# Altium PCB pcb.PcbDoc (part 3 of 4) (continued)
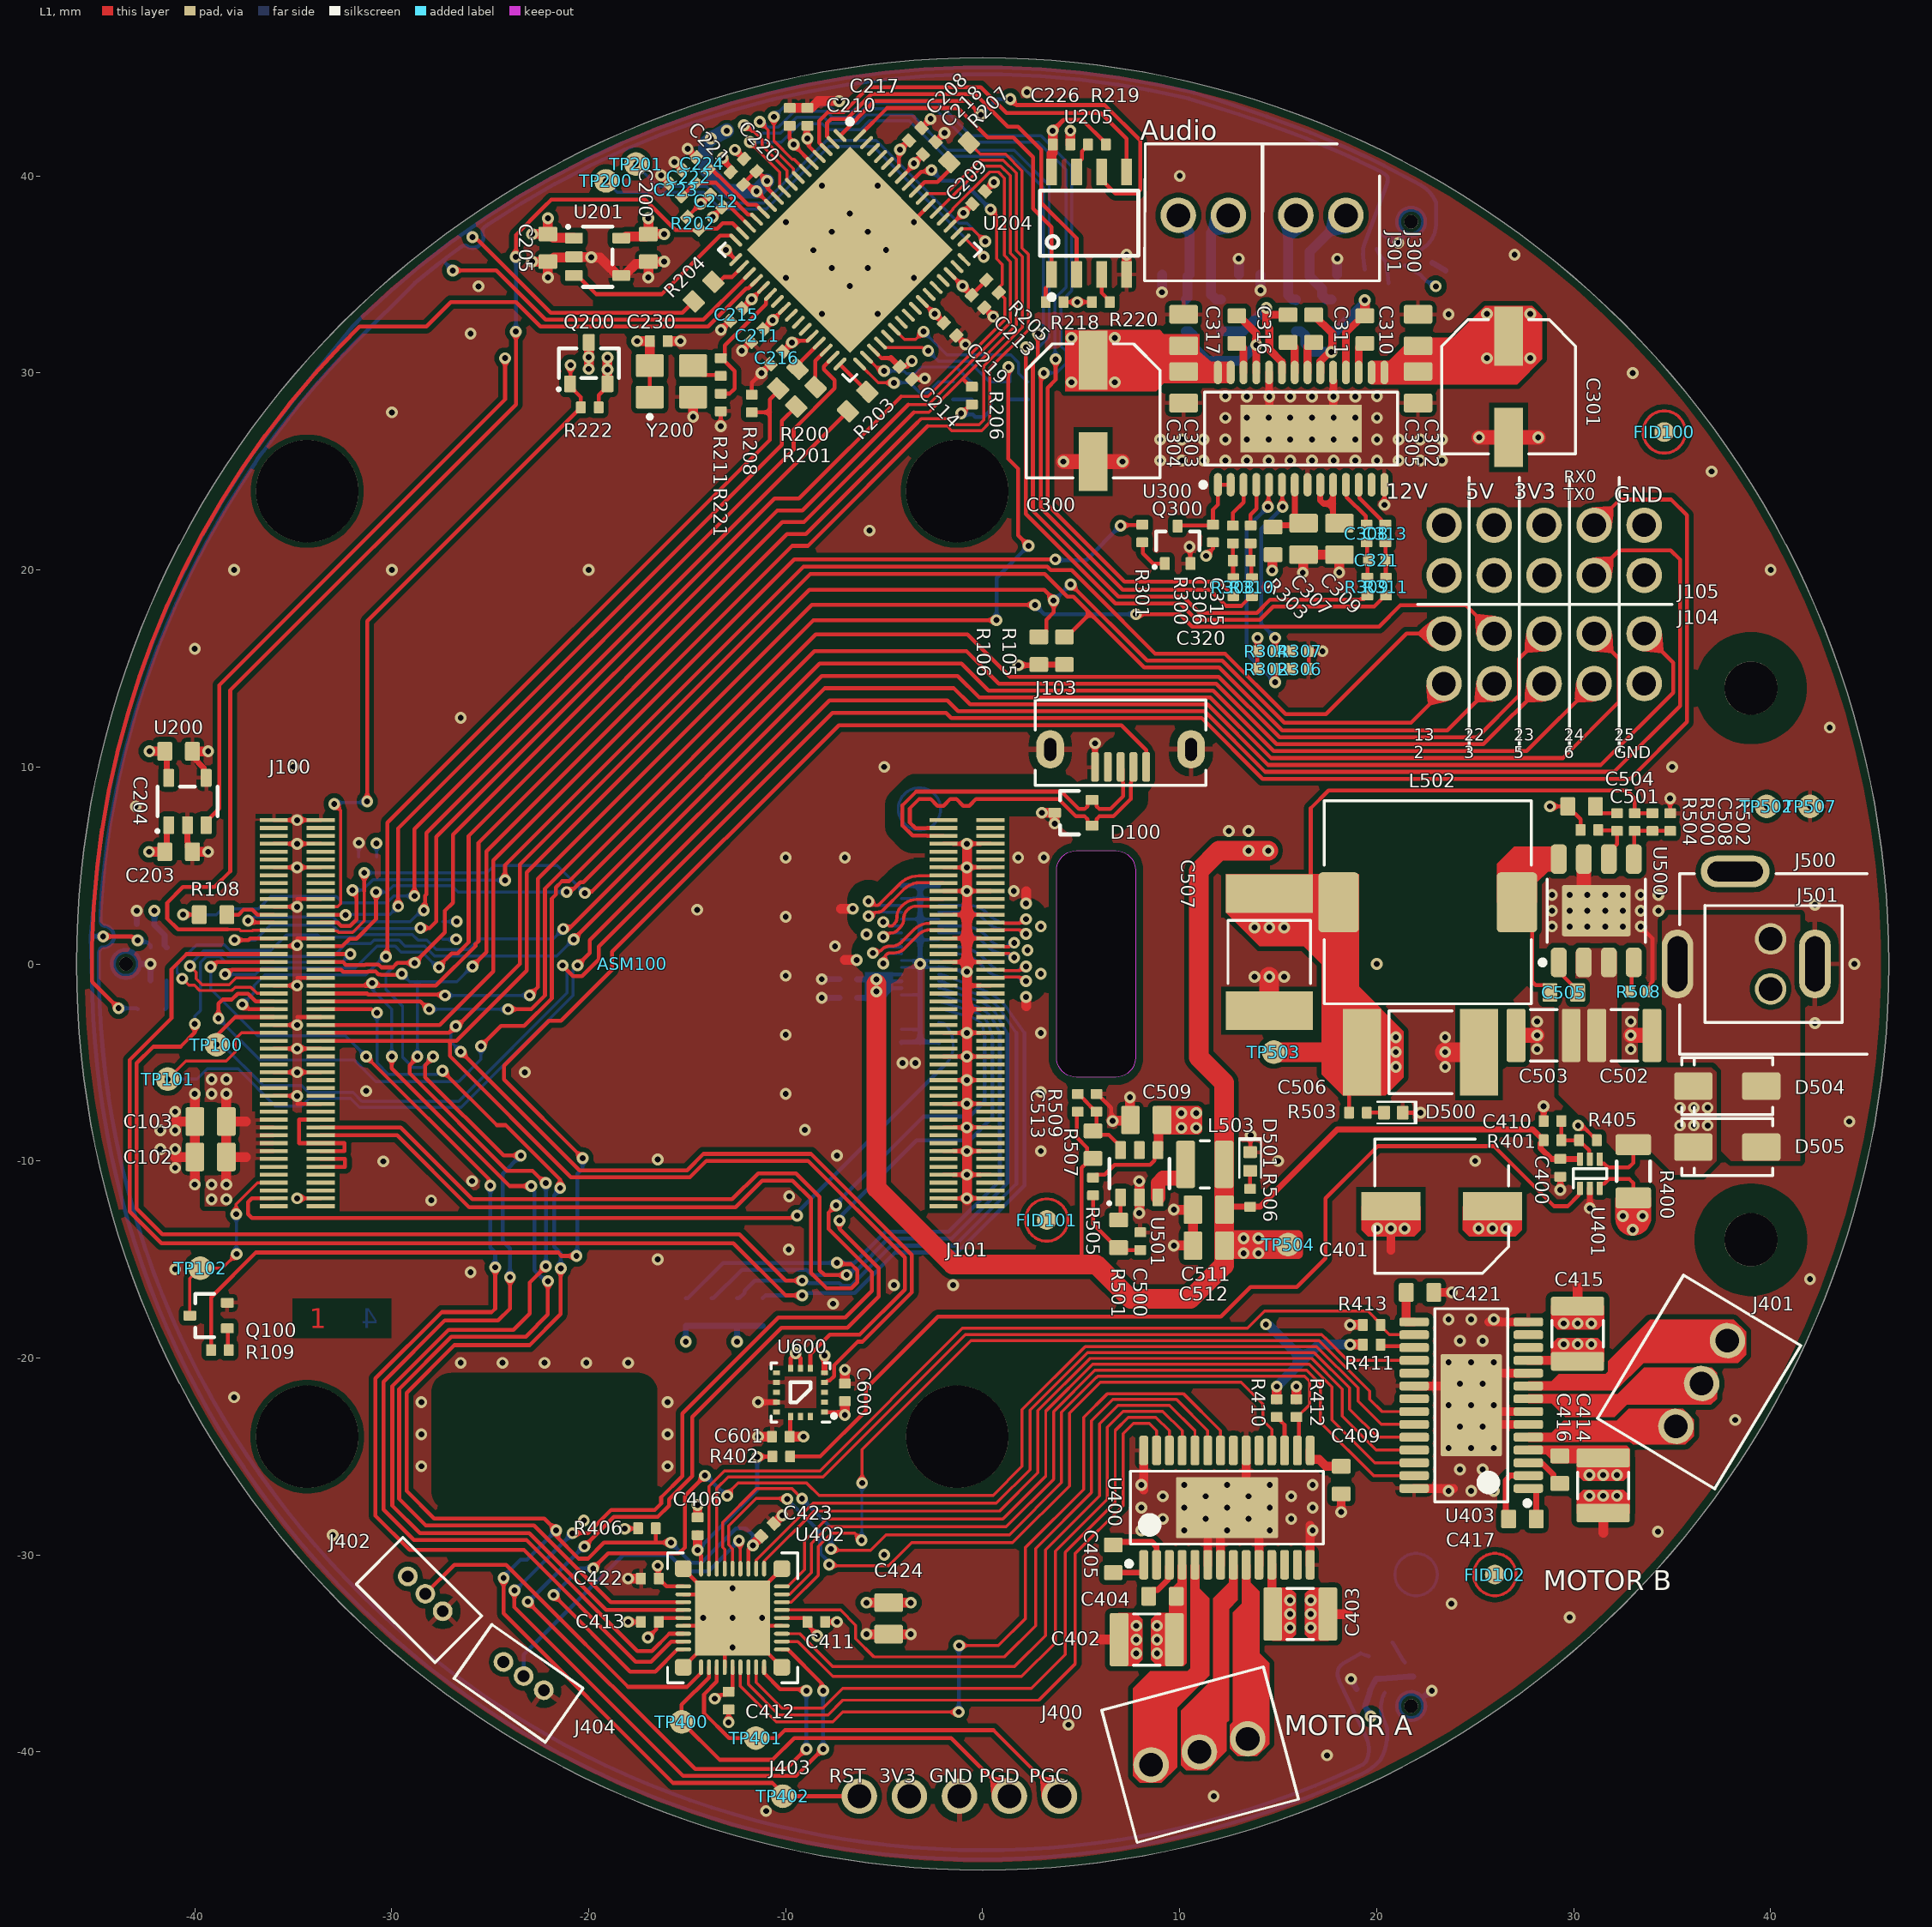
[diagram p0: L1 view]
## Nets (pads, with @x,y where several pads share a name; then routed paths per layer and width w, separated by ;. In a path a pad name is that pad's centre, name@x,y a point inside that pad or via, vN(x,y) a via of type N, cw(c..) or ccw(c..) an arc to the next point about the centre after c; other vN are vias at no path point) (continued)
  L4 w0.2: v1(-23.1,-32.375) -23.062,-32.375 -20.262,-29.575 v1(-20.225,-29.575) ; v1(-8.95,-39.85) v1(-8.95,-36.9) ; v1(-7.276,-13.024) -7.276,-12.916 -7.134,-12.774 -7.134,-12.718 -3.366,-8.95 -0.672,-8.95 0.432,-7.846 ccw(c0.29,-7.704) 0.491,-7.704 0.491,-3.726
MOT_ACC_SDA: J102.33 U402.28 | length 74.8
  L1 w0.2: v1(-23.775,-31.8) -23.775,-32.65 -15.2,-41.225 -9.475,-41.225 v1(-8.1,-39.85) ; v1(-20.825,-28.9) -20.045,-28.9 -18.87,-27.725 -16.65,-27.725 -16.325,-27.4 -16.325,-27.08 -15.25,-26.005 -15.25,-22.825 -10.375,-17.95 -6.985,-17.95 -5.625,-16.59 -5.625,-15.651 -7.826,-13.451 -7.826,-12.626 v1(-7.45,-12.251) ; U402.28@-10.2,-34.8 -9.9,-34.8 -8.177,-36.523 -8.177,-36.773 v1@-8.1,-36.85
  L4 w0.15: J102.33@-2.225,-2.275 -2.1,-2.29 -1.987,-2.316 cw(c-2.043,-2.553) -1.978,-2.319 -0.58,-2.705 cw(c-0.8,-3.5) -0.308,-2.838 -0.157,-2.95 cw(c-0.425,-3.311) 0.018,-3.233 0.098,-3.674 cw(c-0.05,-3.7) 0.1,-3.7
  L4 w0.2: v1(-23.775,-31.8) -23.725,-31.8 v1(-20.825,-28.9) ; v1@-8.1,-39.9 v1(-8.1,-39.85) v1(-8.1,-36.9) v1@-8.1,-36.85 ; v1(-7.45,-12.251) -7.45,-12.184 -3.016,-7.75 -0.672,-7.75 0.1,-6.978 0.1,-3.7
MOT_B_EN_1: U402.36 U403.26 | length 42.6
  L1 w0.15: U402.36@-10.2,-31.6 -9.9,-31.6 -9.05,-30.75 -9.05,-29.282 -7.943,-28.175 1.022,-28.175 3.2,-25.997 3.2,-22.701 5.576,-20.325 16.577,-20.325 17.725,-21.473 17.725,-23.15 19.9,-25.325 U403.26@21.9,-25.325
MOT_B_EN_2: U402.2 U403.24 | length 42.4
  L1 w0.15: U402.2@-11.5,-30.7 -11.5,-30.275 -8.6,-27.375 0.691,-27.375 2.4,-25.666 2.4,-22.653 5.328,-19.725 16.826,-19.725 18.625,-21.524 18.625,-22.6 20.05,-24.025 U403.24@21.9,-24.025
MOT_B_EN_3: U402.34 U403.22 | length 43.2
  L1 w0.15: U402.34@-10.2,-32.4 -9.71,-32.4 -8.35,-31.04 -8.35,-29.572 -7.675,-28.897 -7.528,-28.897 -6.503,-28.897 v1(-6.15,-29.25) ; v1(-6.125,-26.35) -6.125,-24.653 -0.597,-19.125 17.074,-19.125 17.249,-19.3 ; 17.25,-19.3 19.65,-21.7 19.65,-22.1 20.275,-22.725 U403.22@21.9,-22.725
  L4 w0.15: v1(-6.15,-29.25) -6.137,-29.237 -6.137,-26.362 v1(-6.125,-26.35)
MOT_B_IN_1: U402.35 U403.27 | length 43
  L1 w0.15: U402.35@-10.2,-32 -9.805,-32 -8.7,-30.895 -8.7,-29.427 -7.845,-28.572 -0.977,-28.572 ; -0.95,-28.575 1.188,-28.575 3.6,-26.163 3.6,-22.726 5.701,-20.625 16.453,-20.625 17.15,-21.322 17.15,-23.275 19.85,-25.975 U403.27@21.9,-25.975
MOT_B_IN_2: U402.1 U403.25 | length 42.2
  L1 w0.15: U402.1@-11.1,-30.7 -11.09,-30.69 -11.09,-30.315 -8.55,-27.775 0.856,-27.775 2.8,-25.831 2.8,-22.677 5.452,-20.025 16.701,-20.025 18.25,-21.574 18.25,-22.95 19.975,-24.675 U403.25@21.9,-24.675
MOT_B_IN_3: U402.18 U403.23 | length 64.3
  L1 w0.15: v1(-12.975,-27) -12.975,-26.9 -12.417,-26.342 -8.945,-26.342 -8.312,-26.975 0.525,-26.975 2,-25.5 2,-22.629 5.204,-19.425 16.95,-19.425 19.05,-21.525 19.05,-22.2 20.225,-23.375 U403.23@21.9,-23.375
  L1 w0.2: v1(-21.79,-32.033) -17.898,-35.925 -16.625,-35.925 -15.5,-34.8 U402.18@-15.2,-34.8 ; v1(-19.775,-30.685) -19.015,-29.925 -15.425,-29.925 -15.125,-29.625 -15.125,-27 v1(-14.1,-25.975)
  L4 w0.2: v1(-21.79,-32.033) -20.441,-30.685 v1(-19.775,-30.685) ; v1(-14.1,-25.975) -14.05,-25.975 -13.025,-27 v1(-12.975,-27)
MOT_B_OUT_1: J401.3 U403.5
MOT_B_OUT_2: J401.2 U403.8
MOT_B_OUT_3: J401.1 U403.9
MOT_CURRENT_1: R402.1 U401.1 | length 50.9
  L1 w0.2: R402.1@-9.775,-25 -8.25,-25 -5.938,-22.688 -5.938,-21.563 -2.275,-17.9 12.1,-17.9 13.601,-16.399 15.951,-16.399 17.4,-14.95 17.4,-11.9 20.05,-9.25 25.95,-9.25 29,-12.3 29.7,-12.3 30.275,-11.725 30.275,-11.44 U401.1@30.325,-11.39
MOT_CURRENT_FLT_1: C406.2 R402.2 U402.9 | length 8.5
  L1 w0.2: v1(-14.475,-29.75) -14.475,-29.858 -14.3,-30.033 U402.9@-14.3,-30.7 ; v1(-11.45,-25.025) -11.438,-25.013 -10.687,-25.013 R402.2@-10.675,-25
  L1 w0.5: v1(-14.475,-29.75) C406.2@-14.475,-29
  L4 w0.2: v1(-14.475,-29.75) -11.45,-26.725 v1(-11.45,-25.025)
MOT_ENC_IN_1: J402.2 U402.19 | length 17.8
  L1 w0.2: J402.2@-28.3,-31.975 -26.825,-30.5 -24.197,-30.5 -22.25,-32.447 -22.25,-32.45 -18,-36.7 -15,-36.7 -14.3,-36 U402.19@-14.3,-35.7
MOT_ENC_IN_2: J404.2 U402.4 | length 16.6
  L1 w0.15: v1(-12.375,-29.275) -12.3,-29.35 U402.4@-12.3,-30.7
  L4 w0.2: J404.2@-23.307,-36.152 -23.307,-35.057 -18.25,-30 -15.9,-30 -15.075,-30.825 -13.925,-30.825 v1(-12.375,-29.275)
MOT_PGC2: J403.5 TP401.1 U402.21 | length 22.7
  L1 w0.2: U402.21@-13.5,-35.7 -13.5,-36.422 -14.15,-37.072 -14.15,-38.028 -12.878,-39.3 TP401.1@-11.525,-39.3 -10.45,-39.3 -10.05,-38.9 0.545,-38.9 J403.5@3.895,-42.25
MOT_PGD2: J403.4 TP400.1 U402.20 | length 22.5
  L1 w0.2: U402.20@-13.9,-35.7 -13.9,-36.225 -15.285,-37.61 TP400.1@-15.285,-38.475 -13.36,-40.4 -10.675,-40.4 -9.575,-39.3 -1.595,-39.3 J403.4@1.355,-42.25
NetC222_2: C222.2 C223.2 U204.13 | length 4.8
  L1 w0.2: C223.2@-15.267,38.972 C222.2@-14.631,39.609 ; C222.2@-14.595,39.644 -14.595,39.609 -14.419,39.609 -14.366,39.661 -13.552,39.661 -11.926,38.035 -11.714,38.035 U204.13@-11.484,37.806
NetC224_2: C224.2 U204.12 | length 3.7
  L1 w0.2: C224.2@-13.924,40.316 -13.741,40.316 -13.436,40.011 -13.407,40.011 -11.926,38.53 -11.502,38.53 U204.12@-11.131,38.159
NetC306_1: C306.1 U300.3 | length 2.3
  L1 w0.2: C306.1@12.7,22.25 12.7,22.9 13.239,23.439 U300.3@13.239,24.325
NetC306_2: C306.2 C320.2 R308.2 | length 1.8
  L1 w0.2: C306.2@12.7,21.35 C320.2@12.7,20.475 12.712,20.463 12.712,19.588 R308.2@12.725,19.575
NetC308_1: C308.1 U300.11 | length 2.5
  L1 w0.2: U300.11@18.439,24.325 18.478,24.287 18.478,23.698 19.442,22.733 19.442,22.347 C308.1@19.489,22.3
NetC308_2: C308.2 C321.2 R309.2 | length 1.8
  L1 w0.2: C308.2@19.489,21.4 19.519,21.369 19.519,20.531 C321.2@19.55,20.5 19.537,20.487 19.537,19.612 R309.2@19.525,19.6
NetC310_1: C310.1 U300.17 | length 1.7
  L1 w0.4: U300.17@19.089,30.025 19.089,31.289 19.3,31.5 C310.1@19.4,31.5
NetC310_2: C310.2 L300.1 U300.18 | length 6.5
  L1 w0.381: U300.18@18.439,30.025 18.439,32.039 C310.2@19.35,32.95
  L1 w0.5: C310.2@19.4,32.9 v1(19.4,33.7)
  L4 w0.5: L300.1@17.7,32.125 17.95,32.125 19.381,33.556 19.381,33.681 v1(19.4,33.7)
NetC311_1: C311.1 U300.21 | length 1.7
  L1 w0.4: U300.21@16.489,30.025 16.489,31.339 16.7,31.55 C311.1@16.8,31.55
NetC311_2: C311.2 L301.1 U300.20 | length 6
  L1 w0.4: C311.2@16.8,32.95 17.748,32.002 17.748,31.197 17.139,30.588 U300.20@17.139,30.025
  L4 w0.5: L301.1@15.9,32.125 16.15,32.125 16.375,31.9 16.375,31.49 16.797,31.068 v1(17.692,31.068)
NetC312_2: C312.2 J300.1 L301.2 | length 4.7
  L4 w0.5: L301.2@15.9,33.725 15.725,33.725 15.5,33.95 C312.2@15.5,35 15.5,37.302 15.9,37.702 J300.1@15.9,38
NetC313_1: C313.1 U300.12 | length 2.6
  L1 w0.2: U300.12@19.089,24.325 19.123,24.291 19.123,23.652 20.239,22.536 20.239,22.45 20.389,22.3 C313.1@20.439,22.3
NetC313_2: C313.2 C321.1 R311.2 | length 1.8
  L1 w0.2: C313.2@20.439,21.4 20.445,21.395 20.445,20.505 C321.1@20.45,20.5 20.462,20.488 20.462,19.613 R311.2@20.475,19.6
NetC314_2: C314.2 J300.2 L300.2 | length 5.6
  L4 w0.5: L300.2@17.7,33.725 17.45,33.725 17.225,33.95 17.225,34.275 16.6,34.9 C314.2@16.6,35 16.6,36.16 J300.2@18.44,38
NetC315_1: C315.1 U300.4 | length 2.2
  L1 w0.2: C315.1@13.6,22.25 13.6,22.8 13.9,23.1 13.9,24.314 U300.4@13.889,24.325
NetC315_2: C315.2 C320.1 R310.2 | length 1.8
  L1 w0.2: C315.2@13.6,21.35 C320.1@13.6,20.475 13.637,20.438 13.637,19.613 R310.2@13.675,19.575
NetC316_1: C316.1 U300.22 | length 1.7
  L1 w0.4: C316.1@15.5,31.55 15.6,31.55 15.839,31.311 U300.22@15.839,30.025
NetC316_2: C316.2 L302.1 U300.23 | length 7.5
  L1 w0.4: v1(14.4,33.3) 14.4,32.85 ; U300.23@15.189,30.025 15.189,30.553 14.55,31.192 14.55,32.25 14.4,32.4 14.4,32.85 ; C316.2@15.5,32.95 14.5,32.95 14.4,32.85
  L4 w0.5: L302.1@12.1,32.125 13.225,32.125 v1(14.4,33.3)
NetC317_1: C317.1 U300.26 | length 1.7
  L1 w0.4: C317.1@12.9,31.5 13,31.5 13.239,31.261 U300.26@13.239,30.025
NetC317_2: C317.2 L303.1 U300.25 | length 8.2
  L1 w0.4: C317.2@12.95,32.95 13.889,32.011 13.889,31.018 U300.25@13.889,30.025
  L4 w0.5: L303.1@10.3,32.125 10.475,32.125 10.7,31.9 10.7,31.325 11.4,30.625 13.096,30.625 v1(13.889,31.418)
NetC318_2: C318.2 J301.1 L303.2 | length 4.6
  L4 w0.5: J301.1@9.93,38 9.93,37.702 10.5,37.132 C318.2@10.5,35 10.4,34.9 10.4,33.825 L303.2@10.3,33.725
NetC319_2: C319.2 J301.2 L302.2 | length 5
  L4 w0.5: L302.2@12.1,33.725 11.85,33.725 11.6,33.975 C319.2@11.6,35 11.6,37.13 J301.2@12.47,38
NetC404_1: C404.1 U400.3 | length 2.2
  L1 w0.3: C404.1@8.425,-32.1 8.425,-32 8.65,-31.775 8.883,-31.775 9.4,-31.258 9.4,-30.575 U400.3@9.475,-30.5
NetC405_1: C405.1 U400.2 | length 3.3
  L1 w0.3: C405.1@6.625,-29.5 6.775,-29.35 8.6,-29.35 8.825,-29.575 U400.2@8.825,-30.5
NetC405_2: C405.2 U400.1 | length 1.9
  L1 w0.3: C405.2@6.625,-30.9 8.1,-30.9 8.175,-30.825 U400.1@8.175,-30.5
NetC409_2: C409.2 U400.15 | length 2.2
  L1 w0.45: U400.15@16.625,-24.7 16.625,-25.15 17.075,-25.15 17.425,-25.5 C409.2@18.2,-25.5
NetC410_2: C410.2 R401.1 R405.2 U401.5 | length 3.1
  L1 w0.2: C410.2@29.375,-7.975 R401.1@29.375,-8.95 R405.2@30.275,-8.95 30.275,-9 30.425,-9.15 30.475,-9.15 30.784,-9.459 30.784,-9.869 U401.5@30.825,-9.91
NetC416_1: C416.1 U403.3 | length 2.2
  L1 w0.3: U403.3@27.7,-25.325 27.775,-25.4 28.458,-25.4 28.975,-25.917 28.975,-26.15 29.2,-26.375 C416.1@29.3,-26.375
NetC417_1: C417.1 U403.2 | length 3.3
  L1 w0.3: C417.1@26.7,-28.175 26.55,-28.025 26.55,-26.2 26.775,-25.975 U403.2@27.7,-25.975
NetC417_2: C417.2 U403.1 | length 1.9
  L1 w0.3: U403.1@27.7,-26.625 28.025,-26.625 28.1,-26.7 C417.2@28.1,-28.175
NetC421_2: C421.2 U403.15 | length 1.9
  L1 w0.45: C421.2@21.5,-16.675 21.5,-18.175 U403.15@21.9,-18.175
NetC504_2: C504.2 R504.1 | length 1.3
  L1 w0.2: C504.2@31.1,8 31.1,7.925 31.375,7.65 R504.1@32.2,7.65
NetC505_1: C505.1 U500.1 | length 1.9
  L1 w0.2: U500.1@29.245,0.075 29.483,-0.163 29.483,-0.633 30.2,-1.35 C505.1@30.2,-1.45
NetC513_1: C513.1 R507.1 R509.2 U501.6 | length 4.3
  L1 w0.2: C513.1@4.825,-6.6 5.025,-6.75 5.574,-7.349 R509.2@5.774,-7.499 5.774,-8.3 R507.1@5.599,-8.475 5.799,-8.675 6.399,-8.675 7,-9.275 U501.6@7,-9.45
NetD500_A: D500.A R503.1 | length 0.9
  L1 w0.2: R503.1@19.5,-7.55 D500.A@20.375,-7.55
NetD501_A: D501.A R506.1 | length 0.9
  L1 w0.2: R506.1@13.575,-11.425 D501.A@13.575,-10.5
NetD504_A: D504.A D505.A J500.1 J501.1
NetL503_1: L503.1 U501.3 | length 2.9
  L1 w0.75: U501.3@8.9,-11.85 8.9,-11.125 9.15,-10.875 10.2,-10.875 10.3,-10.775 L503.1@10.3,-10.175
NetMIC200_1: MIC200.1 R210.1 | length 1.9
  L4 w0.2: MIC200.1@19.985,36.296 20.132,36.026 20.459,35.648 20.556,35.012 R210.1@20.606,34.55
NetMIC201_1: MIC201.1 R212.1 | length 1.5
  L4 w0.2: R212.1@-41.5,-2.3 -41.426,-2.226 MIC201.1@-41.426,-0.837
NetMIC202_1: MIC202.1 R213.1 | length 1.2
  L4 w0.2: R213.1@20.806,-34.45 21.006,-34.768 21.332,-35.333 MIC202.1@21.438,-35.457
NetQ100_1: Q100.1 R109.1 | length 1.2
  L1 w0.2: Q100.1@-38.425,-18.5 Q100.1@-38.35,-18.5 -38.312,-18.538 -38.312,-19.563 R109.1@-38.275,-19.6
NetQ300_1: Q300.1 R301.2 | length 1.9
  L1 w0.2: R301.2@8.1,21.4 8.125,21.375 8.125,20.85 8.65,20.325 Q300.1@9.25,20.325
NetR200_1: R200.1 U204.29 | length 1.8
  L1 w0.2: R200.1@-9.398,30.204 -9.398,30.416 U204.29@-8.302,31.512
NetR201_1: R201.1 U204.30 | length 2.2
  L1 w0.2: R201.1@-8.479,29.285 -8.55,29.356 -8.55,29.745 -8.497,29.798 -8.497,30.611 U204.30@-7.949,31.159
NetR203_1: R203.1 U204.32 | length 2
  L1 w0.2: U204.32@-7.241,30.452 -7.252,30.442 R203.1@-5.855,29.045
NetR204_2: R204.2 U204.18 | length 1.8
  L1 w0.2: R204.2@-13.676,34.624 -13.382,34.624 -13.135,34.871 -12.721,34.871 U204.18@-12.191,35.401
NetR207_2: R207.2 U204.56 | length 2.6
  L1 w0.2: U204.56@-3.423,39.22 -2.943,39.7 -2.3,39.7 -1.689,40.311 -1.689,40.699 R207.2@-1.695,40.705
NetR211_1: R211.1 Y200.3 | length 1.6
  L1 w0.2: Y200.3@-14.702,30.374 -14.232,29.903 -13.353,29.903 R211.1@-13.3,29.85
NetR219_1: R219.1 U205.7 | length 1.6
  L1 w0.2: U205.7@4.765,40.2 4.765,40.6 5.04,40.875 5.04,41.25 5.19,41.4 5.2,41.4 5.35,41.55 R219.1@5.35,41.6
NetR220_1: R220.1 U205.3 | length 1.6
  L1 w0.2: U205.3@6.035,35 6.035,34.065 6.45,33.65 R220.1@6.45,33.6
NetR501_2: R501.2 U501.1 | length 1.2
  L1 w0.2: R501.2@6.9,-13 7,-12.9 U501.1@7,-11.85
NetTP200_1: TP200.1 U204.49 | length 24.8
  L1 w0.15: U204.49@-0.948,36.745 -0.888,36.805 -0.855,36.805 v1(0.05,35.9)
  L4 w0.15: v1(-19.125,39.75) -18.55,39.175 -14.162,39.175 -13.306,38.32 -10.981,38.32 -9.588,39.713 -7.8,41.5 -5.55,41.5 v1(0.05,35.9)
NetTP201_1: TP201.1 U204.50 | length 23.8
  L1 w0.15: U204.50@-1.302,37.099 -1.072,37.328 -0.528,37.328 v1(0.125,36.675)
  L4 w0.15: v1(-17.6,40.6) -17.6,40.563 -16.512,39.475 -14.037,39.475 -13.182,38.62 -11.105,38.62 -7.925,41.8 -5.402,41.8 -4.019,40.417 -3.711,40.109 -1.201,37.599 -0.799,37.599 v1(0.125,36.675)
PCIE_CLK_N: J101.12
PCIE_CLK_P: J101.10
PCIE_RX_N: J101.18
PCIE_RX_P: J101.16
PCIE_TX_N: J101.24
PCIE_TX_P: J101.22
RUN_PG: J100.92
SCL0: J100.80 J102.27 R103.1 | length 62.7
  L1 w0.2: J100.80@-33.61,-8.3 -29.55,-8.3 -25.907,-11.943 -12.718,-11.943 -11.4,-10.625 -9.473,-10.625 -8.275,-11.823 -8.275,-15.55 -8.025,-15.8 -6.925,-15.8 v1(-6.912,-15.787)
  L4 w0.15: J102.27@-2.225,-1.225 -2.1,-1.24 -1.987,-1.266 cw(c-2.043,-1.503) -1.964,-1.273 -0.238,-1.869 cw(c-0.8,-3.5) 0.228,-2.115 0.379,-2.227 cw(c-0.425,-3.311) 0.525,-2.352 0.534,-2.361 cw(c-0.425,-3.311) 0.751,-2.648 1.261,-3.553
  L4 w0.2: R103.1@-13.775,-16.975 -13.675,-16.975 -12.225,-15.525 -8.942,-15.525 -8.679,-15.787 -6.804,-15.787 -6.542,-15.525 -6.367,-15.525 -4.792,-13.95 -1.577,-13.95 1.261,-11.112 1.261,-3.553
SD_CLK: J100.57
SD_CMD: J100.62
SD_DAT0: J100.63
SD_DAT1: J100.67
SD_DAT2: J100.69
SD_DAT3: J100.61
SD_DAT4: J100.68
SD_DAT5: J100.64
SD_DAT6: J100.72
SD_DAT7: J100.70
SD_PWR_ON: J100.75
SD_VDD_OVERRIDE: J100.73
SDA0: J100.82 J102.29 R104.1 | length 65.5
  L1 w0.2: J100.82@-33.61,-8.7 -29.725,-8.7 -26.075,-12.35 -12.55,-12.35 -11.2,-11 -9.65,-11 -8.725,-11.925 -8.725,-15.675 -7.925,-16.475 -6.675,-16.475 -6.362,-16.163 -6.362,-15.56 -6.685,-15.238 -7.337,-15.238 v1(-7.4,-15.175)
  L4 w0.15: J102.29@-2.225,-1.575 -2.1,-1.59 -1.987,-1.616 cw(c-2.043,-1.853) -1.968,-1.622 -0.359,-2.145 cw(c-0.8,-3.5) 0.052,-2.358 0.199,-2.467 cw(c-0.425,-3.311) 0.313,-2.565 0.321,-2.573 cw(c-0.425,-3.311) 0.489,-2.795 0.832,-3.402 cw(c0.701,-3.476) 0.851,-3.487
  L4 w0.2: R104.1@-15.075,-16.975 -14.975,-16.975 -13.175,-15.175 v1(-7.4,-15.175) -6.512,-15.175 -4.937,-13.6 -1.722,-13.6 0.873,-11.005 0.873,-3.578 ccw(c0.673,-3.577) 0.851,-3.487
USB0_N: D100.1 J101.3 J103.2 | length 17.6
  L1 w0.197: J101.3@-1.99,6.9 -2.823,6.9 -2.837,6.886 -3.411,6.886 -3.7,7.175 -3.7,7.9 -3.222,8.378 -3.01,8.378 -2.65,8.378 -2.297,8.025 -1.997,8.025 -1.644,8.378 -1.344,8.378 -0.99,8.025 -0.69,8.025 -0.337,8.378 1,8.378 3.844,8.378 4.733,7.489 5.179,7.489 5.323,7.345 5.323,7.177 5.475,7.025 D100.1@5.55,7.025 5.625,7.025 5.777,7.177 5.777,7.345 5.921,7.489 6.629,7.489 7.511,8.371 7.511,9.204 7.549,9.243 7.549,9.899 J103.2@7.65,10
USB0_P: D100.2 J101.5 J103.3 | length 17.6
  L1 w0.197: J101.5@-1.99,6.5 -2.823,6.5 -2.837,6.514 -3.565,6.514 -4.072,7.021 -4.072,8.054 -3.376,8.75 3.998,8.75 4.887,7.861 5.179,7.861 5.323,8.005 5.323,8.173 5.475,8.325 D100.2@5.55,8.325 5.625,8.325 5.777,8.173 5.777,8.005 5.921,7.861 6.475,7.861 7.139,8.525 7.139,9.204 7.101,9.243 7.101,9.899 J103.3@7,10
USB_ID: J103.4
USB_OTG_ID: J101.1
USB_VDD: J103.1 R109.2 | length 75.4
  L1 w0.2: R109.2@-39.175,-19.6 -39.175,-16.927 -36.898,-14.65 -21.549,-14.65 -21.403,-14.796 -21.403,-14.825 v1(-20.625,-14.825) ; v1(-20.311,-9.861) -24.3,-5.872 -24.3,-5.175 -22.012,-2.887 -21.412,-2.887 -18.812,-0.288 -18.812,0.613 -7.31,12.115 7.035,12.115 8.3,10.85 J103.1@8.3,10
  L4 w0.2: v1(-20.625,-14.825) -20.575,-14.775 -20.575,-10.661 -20.311,-10.397 v1(-20.311,-9.861)
VDAC_COMP: J101.11
VIN: C300.1 C301.1 C302.2 C303.2 C304.2 C305.2 C502.2 C503.2 D504.K D505.K J105.1 J105.2 R300.2 R302.2 R303.1 R304.2 R400.1 TP502.1 U300.15 U300.16 U300.27 U300.28 U401.4 U500.2 U500.3 | length 6.2
  L1 w0.2: v1(11.342,20.709) 11.342,20.742 11.689,21.089 R300.2@11.689,21.4 ; R302.2@13.95,14.975 R304.2@13.95,15.875 v1(13.95,16.55) ; U401.4@31.325,-9.91 31.325,-10.095 31.375,-10.145 31.56,-10.145 31.74,-10.325 32.8,-10.325 33.025,-10.1 R400.1@33.025,-9.175
  L1 w0.5: v1(14.689,19.975) 14.708,19.994 14.708,20.744 R303.1@14.739,20.775
  other v1: 35.4,-8.2 36.1,-8.2 36.8,-8.2 35.4,-7.3 36.1,-7.3 36.8,-7.3 39.8,8 4.5,29.525 6.7,29.525 25.6,30.75 27.8,30.75 4.5,31.775 6.7,31.775 25.6,33 27.8,33
VMOT: C401.1 C402.2 C403.2 C404.2 C414.2 C415.2 C416.2 R400.2 U400.4 U400.11 U401.3 U403.4 U403.11 | length 7.7
  L1 w0.2: U401.3@31.325,-11.39 31.325,-11.205 31.375,-11.155 31.56,-11.155 31.79,-10.925 32.825,-10.925 33.025,-11.125 R400.2@33.025,-11.875
  L1 w0.45: C403.2@14.675,-32.95 U400.11@14.675,-30.5 ; U403.11@27.7,-20.125 C415.2@30.15,-20.125
  other v1: 8.85,-35 8.85,-34.3 15.6,-33.7 8.85,-33.6 15.6,-33 15.6,-32.3 30.8,-25.95 31.5,-25.95 32.2,-25.95 29.5,-19.3 30.2,-19.3 30.9,-19.3 33,-13.5 25.175,-13.425 25.875,-13.425 26.575,-13.425 32.5,-12.8 33.5,-12.8
pads on no net: ASM100.0 FID100.0 FID101.0 FID102.0 FID103.0 FID104.0 FID105.0 J100.76 J101.4 J101.6 J102.32 J102.34 J102.35 J102.36 J102.38 J102.39 J500.3 MIC200.0 MIC201.0 MIC202.0 U204.23 U204.25 U204.26 U204.27 U204.37 U204.39 U204.40 U204.41 U204.43 U204.44 U204.45 U204.47 U204.48 U204.60 U204.61 U204.62 U204.63 U300.13 U400.12 U400.13 U400.19 U400.21 U403.12 U403.13 U403.19 U403.21 U600.2 U600.3 U600.9 U600.11 U600.13 U600.15 U600.16

## Polygon pours and split planes (outlines as drawn)
GND on L1 "GND" (solid, remove dead copper, pour order 33): -50,50 50,50 50,-50 -50,-50
VIN on L1 "12V_L1" (solid, remove dead copper, pour order 7): 30.3,0.8 32,0.8 32.2,0.6 32.2,-5 32.45,-5.25 37,-5.25 37.25,-5.5 37.25,-10 36.55,-10.7 35.096,-10.7 33.917,-9.521 32.125,-9.521 29.25,-6.646 29.25,-1.75 30.1,-0.9 30.1,0.6
NetD504_A on L1 "DCIN_L1" (solid, remove dead copper, pour order 19): 34.5,2.5 41.5,2.5 41.5,-10 38,-10 34.5,-6.5
GND on L1 "GND RPI PDN" (solid, remove dead copper, pour order 39): -42.3,-5.5 -39.15,-5.5 -39.15,-7.75 -39.15,-10 -39.15,-12.3 -42.3,-12.3
5V on L1 "5V RPI PDN" (solid, remove dead copper, pour order 26): -39.5,-5.5 -37.1,-5.5 -37.1,-7.5 -35.2,-7.5 -35.2,-10.6 -36.95,-10.6 -36.95,-12.3 -39.5,-12.3 -39.5,-10.75 -39,-10.75 -39,-7 -39.5,-7
3.3V on L3 "3V3_2_L3" (solid, remove dead copper, pour order 12): 28.5,23.1 27.3,21.9 27.3,11.75 28,11.75 30.25,14 30.25,21.35
5V on L3 "G01_L2" (solid, remove dead copper, pour order 11): 27.1,22 27.1,13.8 21,13.8 21,17.6 22.2,18.8 24.1,18.8 24.7,19.4 24.7,21.8 25.3,22.4 26.7,22.4
3.3V on L3 "3.3V" (solid, remove dead copper, pour order 41): -50,50 50,50 50,-50 -50,-50
5V on L3 "L3_5V" (solid, remove dead copper, pour order 34): 7.243,11.992 13,6.75 13,5 16.25,5 16.25,3.5 21.5,-1.45 21.5,-10.475 12.475,-10.475 7.75,-5.75 1.5,-5.75 -10.325,-17.341 -48,-17.341 -48,29.75 -24,29.75 -24,12
VIN on L3 "L4-12V" (solid, remove dead copper, pour order 38): 50.675,48 20.325,48 3.2,30.875 3.2,18.75 11,18.75 16.725,12.775 16.745,2.7 16.745,-10.36 50.675,-10.379
3.3V_DSP on L3 "3V3DSP_L3" (solid, remove dead copper, pour order 40): -18,26.75 -18,30.75 -18.75,31.5 -19.25,31.5 -19.75,31 -19.75,29.75 -42.75,29.75 -42.75,46.75 15.666,46.75 16,46.416 16,44 3,31 3,26.75
VMOT on L3 "VMOT_L03_P037" (solid, remove dead copper, pour order 37): -1.525,-23.25 -1.525,-49.75 51.25,-49.75 50.75,-49.25 50.75,-10.6 15,-10.6 15,-23.25 3.25,-23.25
1.2V on L3 "1V2_L03_P-001" (solid, remove dead copper, pour order 31): -3.5,41 -3,40.5 -2,39.5 -2,33 -2.5,32.5 -10.5,32.5 -11,33 -11,35 -12.5,36.5 -16.6,36.5 -17.275,37.175 -17.275,38.025 -16.8,38.5 -11.5,38.5 -9.5,40.5 -9.5,42 -9,42.5 -7.5,42.5 -6,41
GND on L3 "GND_L03_P032" (solid, remove dead copper, pour order 32): 3.75,5.75 -10.3,5.74 -10.3,-17.375 3.75,-17.375
no net on Bottom Overlay "CONN HATCH" (hatched 45Degree grid 1 track 0.3): 8.5,-4.75 8.5,4.75 10.1,4.75 10.1,-4.75
GND on L2 "GND_L02_P000" (solid, remove dead copper, pour order 0): -50,50 50,50 50,-50 -50,-50
GND on L4 "GND_L04_P036" (solid, remove dead copper, pour order 36): -50,50 50,50 50,-50 -50,-50

## Other copper
L1:
  pour cut-out: 36.15,-14 ccw(c39,-14) 39,-16.85 ccw(c39,-14) 41.85,-14 ccw(c39,-14) 39,-11.15 ccw(c39,-14)
  pour cut-out: 36.15,14 cw(c39,14) 39,16.85 cw(c39,14) 41.85,14 cw(c39,14) 39,11.15 cw(c39,14)
  region net 5V: 8.85,-7.212 10.888,-7.212 cw(c10.888,-7.462) 11.137,-7.462 11.137,-8.412 cw(c10.887,-8.412) 10.887,-8.662 8.85,-8.662
  region net 3.3V: 11.8,-13.525 16,-13.525 cw(c16,-13.775) 16.25,-13.775 16.25,-14.725 cw(c16,-14.725) 16,-14.975 11.8,-14.975
  region net VMOT: 33.925,-11.875 33.925,-12.875 cw(c33,-12.875) 33,-13.8 cw(c33,-12.925) 32.125,-12.925 32.125,-11.875
  pour cut-out: 22.475,-12.275 22.475,-13.625 22.075,-14.025 19.375,-14.025 18.975,-13.625 18.975,-12.275
  region net MOT_A_OUT_2: 12.375,-39.95 12.375,-38.525 12.5,-38.4 12.5,-32.75 12.95,-32.3 12.95,-30.5 12.5,-30.5 12.5,-31.4 11.7,-32.2 11.7,-36.275 10.075,-37.9 10.075,-40.675 10.325,-40.925 11.4,-40.925
  region net MOT_A_OUT_1: 11,-31.7 11.5,-32.2 11.5,-36.125 9.875,-37.75 9.875,-40.775 9.075,-41.575 7.975,-41.575 7.625,-41.225 7.625,-36.775 8.5,-35.9 10.4,-35.9 10.55,-35.75 10.55,-30.5 11,-30.5
  region net MOT_A_OUT_3: 12.7,-38.475 12.55,-38.625 12.55,-39.825 12.95,-40.225 13.925,-40.225 14.55,-39.6 14.55,-35.5 14.05,-35 14.05,-31.85 13.6,-31.4 13.6,-30.5 13.15,-30.5 13.15,-32.475 12.7,-32.925
  region net MOT_B_OUT_1: 35.675,-24.4 33,-24.4 32.85,-24.25 27.7,-24.25 27.7,-23.8 28.875,-23.8 29.475,-23.2 32.175,-23.2 32.8,-22.575 35.55,-22.575 36.1,-23.125 36.1,-23.975
  region net MOT_B_OUT_2: 28.875,-22.3 29.575,-23 32.075,-23 32.7,-22.375 36.975,-22.375 37.276,-22.074 37.276,-20.751 37.025,-20.5 33.575,-20.5 32.225,-21.85 27.7,-21.85 27.7,-22.3
  region net MOT_B_OUT_3: 31.625,-20.825 31.75,-20.7 31.75,-20.175 33.875,-18.05 38.125,-18.05 38.75,-18.675 38.75,-19.85 38.35,-20.25 33.55,-20.25 32.15,-21.65 27.7,-21.65 27.7,-21.2 28.875,-21.2 29.25,-20.825
  region net VMOT: 10.35,-30.5 10.35,-35.5 10.2,-35.65 9.45,-35.65 9.45,-31.7 9.525,-31.625 9.675,-31.625 9.9,-31.4 9.9,-30.5
  region net VMOT: 27.7,-24.45 32.7,-24.45 32.85,-24.6 32.85,-25.35 28.9,-25.35 28.825,-25.275 28.825,-25.125 28.6,-24.9 27.7,-24.9
  region net GND: 22.225,-12.3 22.225,-13.5 21.9,-13.825 19.55,-13.825 19.225,-13.5 19.225,-12.3
  region net VMOT: 27.375,-12.3 27.375,-13.5 27.05,-13.825 24.7,-13.825 24.375,-13.5 24.375,-12.3
  region net GND: 6.9,-35.65 7.775,-35.65 8.1,-35.325 8.1,-33.275 7.775,-32.95 6.9,-32.95
  region net VMOT: 9.75,-35.65 8.875,-35.65 8.55,-35.325 8.55,-33.275 8.875,-32.95 9.75,-32.95
  pour cut-out: 9.75,-35.911 6.9,-35.911 6.9,-32.697 9.75,-32.697
  region net GND: 17.55,-31.65 16.675,-31.65 16.35,-31.975 16.35,-34.025 16.675,-34.35 17.55,-34.35
  region net VMOT: 14.7,-31.65 15.575,-31.65 15.9,-31.975 15.9,-34.025 15.575,-34.35 14.7,-34.35
  pour cut-out: 14.7,-31.389 17.55,-31.389 17.55,-34.603 14.7,-34.603
  region net GND: 28.85,-17.35 28.85,-18.225 29.175,-18.55 31.225,-18.55 31.55,-18.225 31.55,-17.35
  region net VMOT: 28.85,-20.2 28.85,-19.325 29.175,-19 31.225,-19 31.55,-19.325 31.55,-20.2
  pour cut-out: 28.589,-20.2 28.589,-17.35 31.803,-17.35 31.803,-20.2
  pour cut-out: 33.111,-25.05 33.111,-27.9 29.897,-27.9 29.897,-25.05
  region net VMOT: 32.85,-25.05 32.85,-25.925 32.525,-26.25 30.475,-26.25 30.15,-25.925 30.15,-25.05
  region net GND: 32.85,-27.9 32.85,-27.025 32.525,-26.7 30.475,-26.7 30.15,-27.025 30.15,-27.9
  pour cut-out: 34.5,23.2 34.5,13.3 22.55,13.3 22.55,23.2
  pour cut-out: 28.9,0.8 28.9,0 28.2,0 28.2,0.8
  pour cut-out: 29.1,8.4 29.1,7.6 28.4,7.6 28.4,8.4
  region net 5V_SW: 28.145,4.145 28.145,3.125 26.1,3.125 26.1,5.075 26.975,5.95 29.425,5.95 29.425,4.7 28.7,4.7
  region net 5V: 21.375,-5.75 21.375,-3.425 19.095,-1.145 19.095,4.55 12.35,4.55 12.35,2.6 14.05,0.9 16.3,0.9 17.2,0 17.2,-5.6 18.275,-6.675 20.45,-6.675
  pour cut-out: 18.55,8.3 26.7,8.3 27.8,7.2 27.8,-0.95 26.75,-2 20.6,-2 19.1,-0.4 19.1,4.7 17.4,4.7 17.4,7.15
  region net VIN: 19.739,30.625 20.625,30.625 21.8,31.8 23.9,31.8 25.5,33.4 27.9,33.4 28.4,32.9 28.4,30.7 27.125,29.425 19.739,29.425
  pour cut-out: -19.8,33.725 -19.8,33.3 -19.675,33.3 -19.675,33.725
  pour cut-out: -26.25,2.5 -27,2.5 -27,2.75 -26.25,2.75
  pour cut-out: 10.25,-9.025 12.25,-9.025 12.25,-11.312 12.237,-11.325 10.25,-11.325
  region net VIN: 11,31.975 10.995,31.07 11.6,30.575 12.589,30.575 12.589,29.475 9.2,29.475 8.8,29.075 4.2,29.075 4.2,32.175 9,32.175 9.2,31.975
  text "1" at -34.192,-18.5 h1
L2:
  pour cut-out: 5.225,7.275 5.875,7.275 5.875,6.775 5.225,6.775
  pour cut-out: 5.225,8.575 5.875,8.575 5.875,8.075 5.225,8.075
  pour cut-out: 6.8,10.75 7.85,10.75 7.85,9.25 6.8,9.25
  text "2" at -33.358,-18.5 h1
L3:
  region net "3.3V MIC": -12.72,42.04 -13.758,41.521 -14.041,41.558 -14.956,42.372 -13.1,43.3 -12.62,42.34
  text "3" at -32.358,-18.5 h1
L4:
  pour cut-out: 36.15,14 cw(c39,14) 39,16.85 cw(c39,14) 41.85,14 cw(c39,14) 39,11.15 cw(c39,14)
  pour cut-out: 36.15,-14 ccw(c39,-14) 39,-16.85 ccw(c39,-14) 41.85,-14 ccw(c39,-14) 39,-11.15 ccw(c39,-14)
  region net 3.3V: -4.55,-0.425 -4.55,-1.325 -5.1,-1.875 -5.975,-1.875 -5.975,-0.425
  pour cut-out: -4.125,3.5 -2.163,3.5 -2.163,-3.5 -4.117,-3.5
  text "4" at -30.692,-18.5 h1
Multi-Layer:
  pour cut-out: -16.5,-21.75 -16.5,-26.75 cw(c-17.5,-26.75) -17.5,-27.75 -27,-27.75 cw(c-27,-26.75) -28,-26.75 -28,-21.75 cw(c-27,-21.75) -27,-20.75 -17.5,-20.75 cw(c-17.5,-21.75)
  pour cut-out: -35.025,-17 -30.025,-17 -30.025,-19 -35.025,-19

## Silkscreen, mask and mechanical layers (free items; w line width, h text height)
Top Overlay:
  lines w0.15: 22.075,18.25 35,18.25 ; 24.7,10.8 24.7,24.7 ; 27.24,10.8 27.24,24.7 ; 29.78,10.8 29.78,24.7 ; 32.32,10.8 32.32,24.7
  text "Audio" at 8.002,41.834 h1
  text "12V" at 20.471,23.6 h0.8
  text "5V" at 24.51,23.6 h0.8
  text "3V3" at 26.967,23.6 h0.8
  text "RX0 / TX0" at 29.507,23.535 h0.6
  text "GND" at 32.047,23.434 h0.8
  text "13 / 2" at 21.887,10.435 h0.6
  text "22 / 3" at 24.427,10.435 h0.6
  text "23 / 5" at 26.967,10.435 h0.6
  text "24 / 6" at 29.507,10.435 h0.6
  text "25 / GND" at 32.047,10.435 h0.6
  text "MOTOR B" at 28.467,-31.79 h1
  text "MOTOR A" at 15.309,-39.15 h1
  text "RST" at -7.798,-41.565 h0.7
  text "3V3" at -5.258,-41.565 h0.7
  text "GND" at -2.718,-41.565 h0.7
  text "PGD" at -0.178,-41.565 h0.7
  text "PGC" at 2.362,-41.565 h0.7
Bottom Overlay:
  lines w0.3: -1.5,-4.75 3,-4.75 ; -1.5,4.75 3,4.75
  text ".Version" at -9.5,10.5 h1
Bottom Solder:
  text "SARAKIT" at -9.253,13.5 h3